# Altium PCB BitFury.PcbDoc (part 2 of 4)
Units mm, origin at the board's own origin, x right, y up, seen from the top; angles counter-clockwise.
Board outline 90.25 x 131.5 mm, 4 copper layers (Top Layer, Mid-Top Layer, Mid-Bottom Layer, Bottom Layer); 611 components, 148 nets, 2252 pads, 2038 vias.
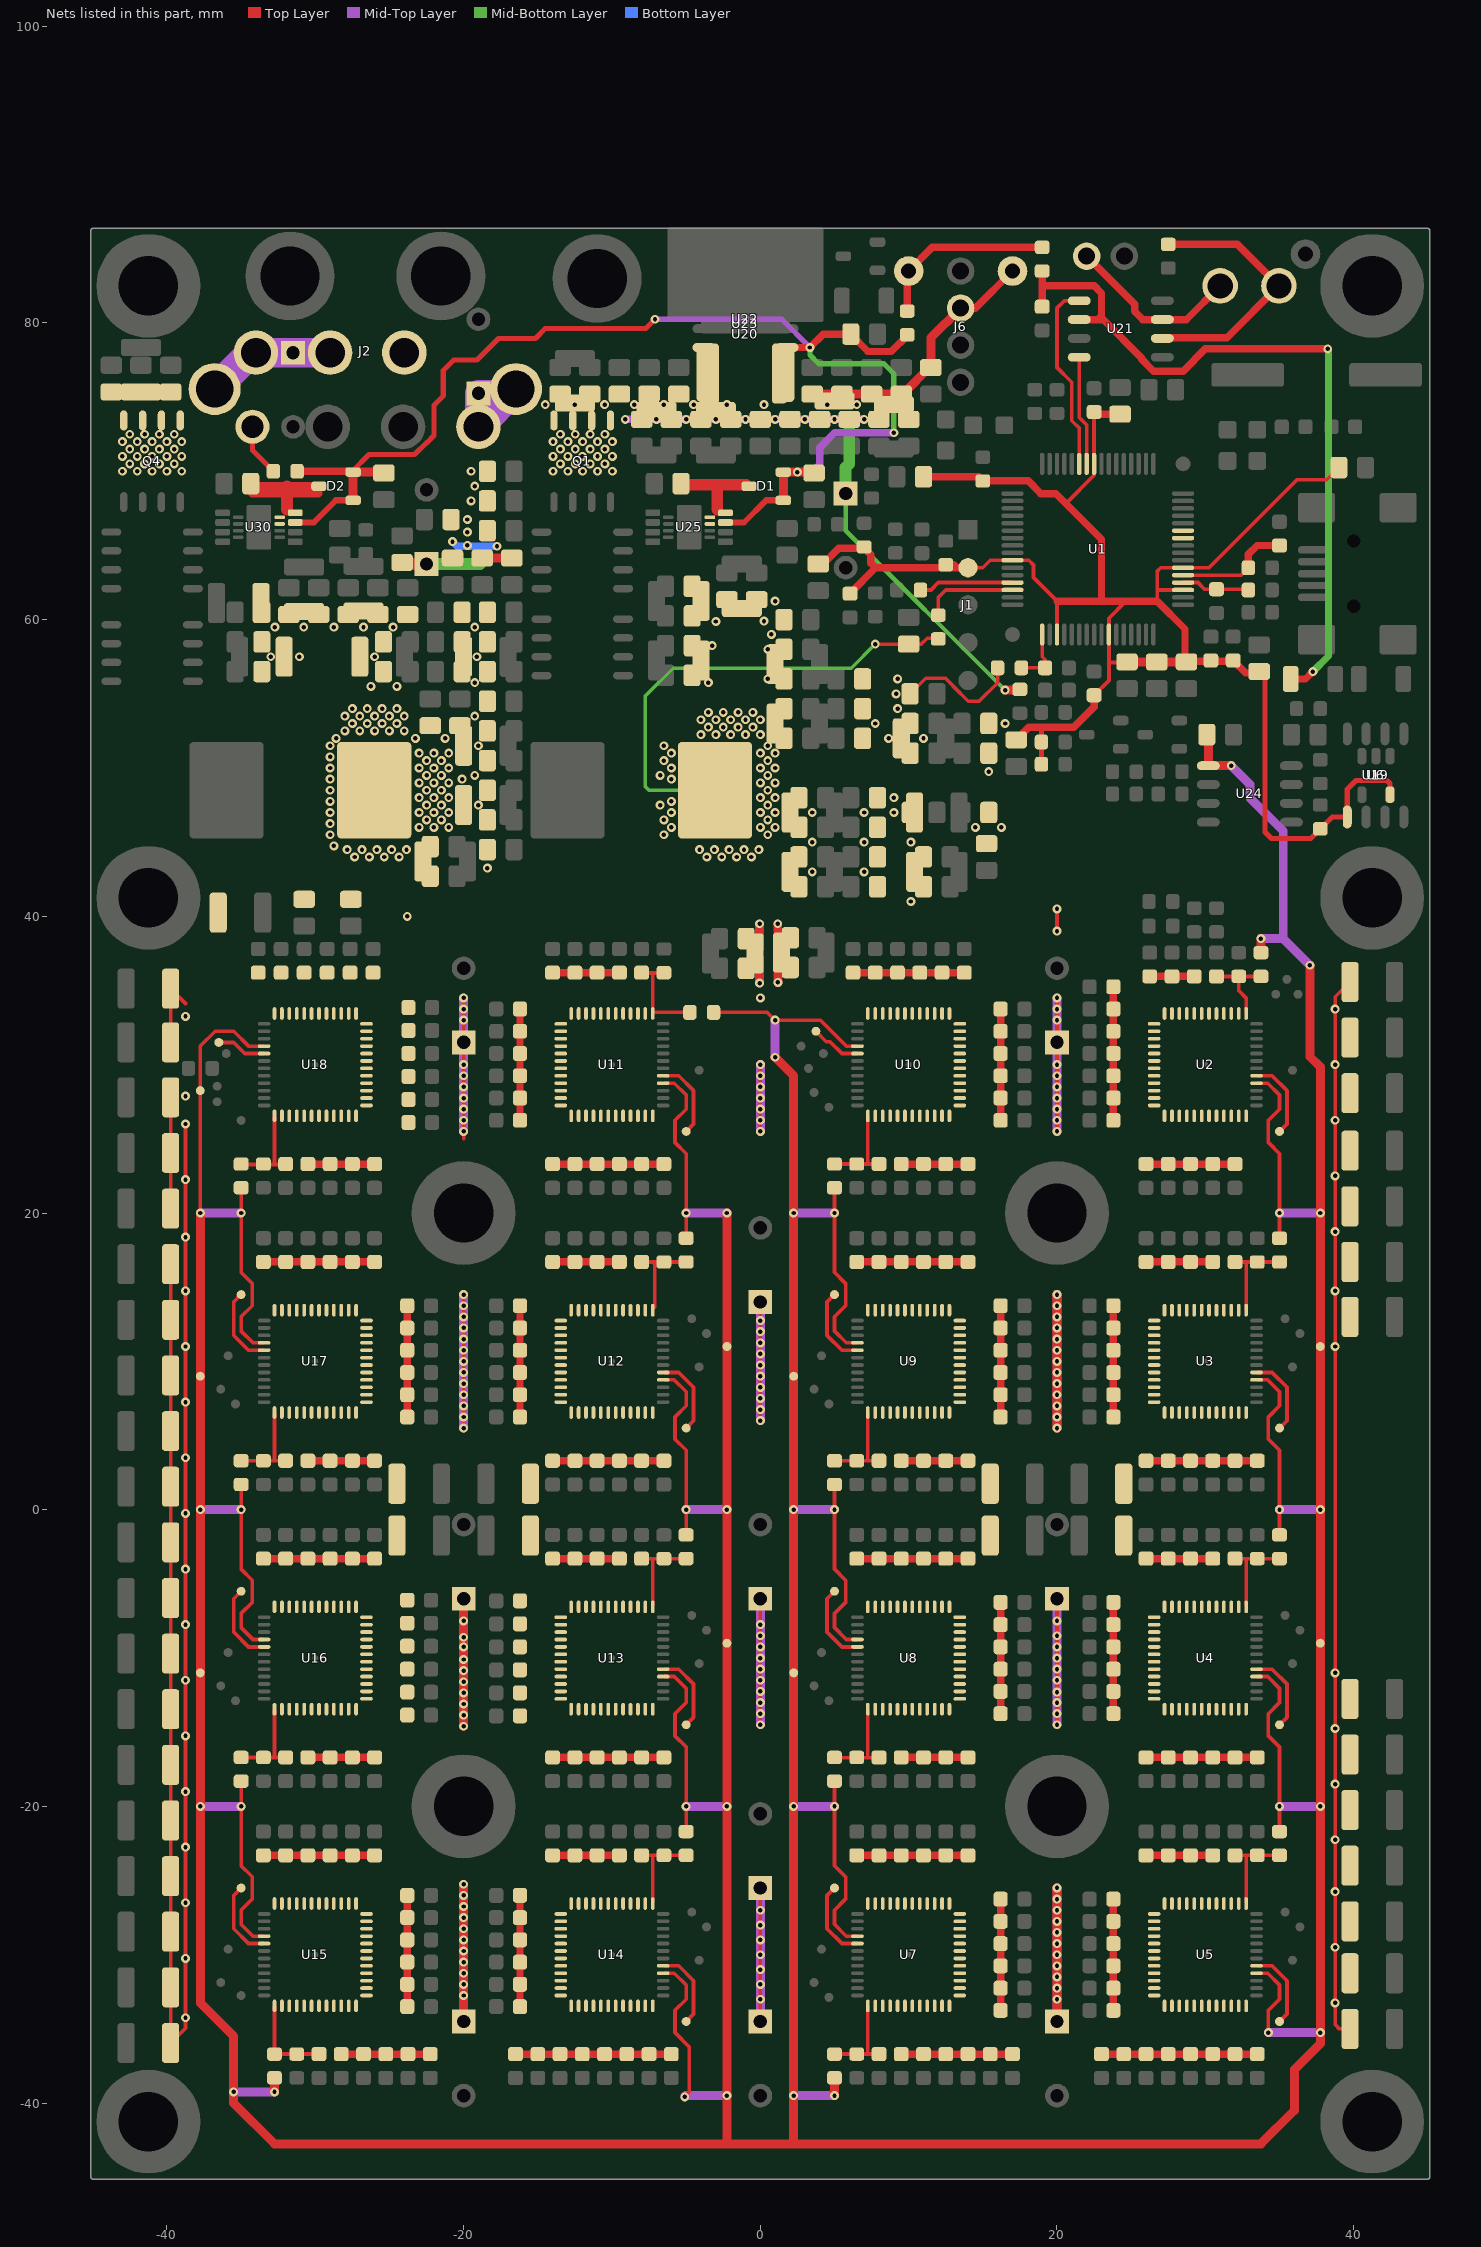
[diagram p4: the nets of this part, all layers, seen from the top]

## Part data
C2 C3 C4 C5 C6 C7 C8 C9 C11 C12 C13 C14 C15 C16 C18 C19 C20 C21 C22 C23 C24 C25 C26 C27 C28 C29 C30 C32 C33 C35 C36 C37 C39 C40 C41 C42 C43 C44 C46 C48 C49 C50 C51 C52 C53 C54 C55 C56 C57 C58 C60 C61 C62 C64 C66 C67 C68 C69 C70 C71 C77 C78 C79 C80 C81 C82 C83 C84 C87 C88 C89 C90 C91 C92 C93 C94 C95 C96 C97 C98 C100 C102 C103 C105 C106 C107 C108 C109 C110 C111 C112 C113 C114 C115 C116 C117 C118 C119 C120 C121 C122 C123 C124 C125 C126 C127 C128 C129 C130 C131 C132 C133 C134 C135 C136 C137 C138 C139 C140 C142 C144 C145 C146 C148 C149 C150 C152 C153 C154 C155 C156 C157 C158 C159 C160 C161 C162 C163 C164 C165 C166 C167 C169 C170 C171 C172 C173 C174 C175 C176 C177 C178 C179 C180 C181 C182 C183 C184 C185 C326 C327 C328 C329 C330 C331 C332 C333 C334 C335 C336 C337 C338 C339 C340 C341 C342 C343 C344 C345 C346 C347 C348 C349 C351 C352 C353 C355 C356 C388 C389 C390 C391 C392 C393 C394 C395 C396 C397 C398 C399 C400 C401 C402 C403 C404 C405 C406 C407 C408 C409 C410 C411 C412 C413 C414 C415 C416 C417 C418 C419 C420 C421 C422 C423 C424 C427 C428 C429 C430 C431 C432 C433 C434 C435 C436 C439 C440 C441 C442 C443 C444 C445 C446 C447 C448 C449 C450 C451 C452 C453 C454 C455 C456 C457 C458 C459 C460 C461 C462 C463 C464 C465 C466 C467 C468 C469 C470 C471 C472 C475 C476 C477 C478 C479 C480 C481 C482 C483: library part "Cap Semi", "Capacitor (Semiconductor SIM Model)"
C17 C34 C63 C72 C73 C74 C75 C76 C85 C86 C187 C188 C189 C190 C191 C192 C193 C195 C196 C197 C198 C199 C200 C201 C202 C203 C204 C205 C206 C207 C209 C211 C213 C214 C215 C216 C217 C218 C219 C220 C221 C222 C223 C224 C225 C226 C227 C229 C231 C233 C234 C237 C240 C241 C242 C243 C244 C245 C246 C247 C248 C249 C250 C251 C252 C253 C254 C255 C258 C259 C260 C261 C262 C263 C264 C265 C266 C267 C268 C269 C270 C273 C274 C275 C276 C277 C278 C279 C280 C283 C284 C285 C286 C287 C288 C289 C290 C291 C292 C293 C294 C295 C296 C297 C298 C299 C300 C301 C302 C303 C304 C305 C306 C308 C311 C312 C314 C315 C316 C317 C318 C319 C320 C321 C322 C323 C324 C325: library part CAP, "Capacitor"
C208 C210 C272 C281: library part C_POL
C228 C238 C239 C256 C257 C271 C282 C307 C309 C313: library part C_POL, "ТМ0J332M-RBJ21"
C358 C359 C360 C361 C362 C363 C364 C365 C366 C367 C368 C369 C370 C371 C372 C373 C374 C375 C376 C377 C378 C379 C380 C381 C382 C383 C384 C385 C386 C387 C489 C491 C493 C494 C495 C501 C503 C504 C505 C506 C507 C508 C509 C510 C511 C512 C513 C514 C515 C516 C517 C518 C519 C520 C521 C522 C523 C524 C525 C526 C527 C528 C529 C530 C531 C532 C533 C534 C535 C536: library part "Cap Semi", "CL32A227MQVNNNE 220UF 6.3V 20% X5R 1210"
D1 D2 D3: library part D_DUAL_A1A2CC3
D4 D5 D6 D7: library part LED_2
J1: library part CON5, "Connector"
J2 J6: library part CON_4PINS
J3: library part CON_USB_MINI_1
J4 J5: library part CON2, "Connector"
L1 L2: library part L
Q1 Q2 Q3 Q4 Q5 Q6: library part MOS_N_D1_S1S2S3G4D5D6D7D8
Q7 Q8: library part BJT_NPN_B1E2C3
R1 R2 R3 R4 R5 R6 R7 R8 R9 R10 R11 R12 R13 R14 R15 R16 R17 R18 R24 R25 R26 R27 R28 R29 R30 R31 R34 R35 R36 R37 R38 R40 R41 R42 R43 R44 R45 R46 R47 R56 R57 R59 R60 R61 R62 R63 R64 R79 R80 R81 R82 R83 R84 R85 R86 R103 R104 R105 R106 R107 R108 R109 R110 R127 R128 R129 R130 R131 R132 R133 R134: library part Res3, "Resistor"
U2 U3 U4 U5 U7 U8 U9 U10 U11 U12 U13 U14 U15 U16 U17 U18: "BitFury SHA256"
U6: library part "VOLTREG LDO"
U19 U22 U24: library part IC_LM2931AD-5.0R2G_SO-8
U20 U23: library part IC_Vout1GND2Vin3
U21: library part MCP2551, "CAN Driver"
U25 U30: library part DRVFET_LTC4442, "Mosfet 12V Dual Bootstrapped PWM Sync Buck Optimised"
Y1: library part CRYSTAL, "Crystal"

## Free pads (board coordinates)
  round 7 hole 4: 0(-41.25,-41.25) 0(-41.25,41.25) 0(-41.25,82.5) 0(-20,-20) 0(-20,20) 0(20,-20) 0(20,20) 0(41.25,82.5) 0(41.25,-41.25) 0(41.25,41.25)
  round 0.6 smd: 0(-37.75,-11) 0(-37.75,9) 0(-37.75,28.25) 0(-36.617,27.5) 0(-36.617,28.55) 0(-36.5,31.5) 0(-36.375,-31.875) 0(-36.375,-11.875) 0(-36.375,8.125) 0(-36,30.75) 0(-35.875,-29.625) 0(-35.875,-9.625) 0(-35.875,10.375) 0(-35.375,-12.875) 0(-35.375,7.125) 0(-35,-32.75) 0(-35,-25.5) 0(-35,-5.5) 0(-35,14.5) 0(-35,26.242) 0(-5,-34.5) 0(-5,-14.5) 0(-5,5.5) 0(-5,25.5) 0(-4.625,-27.125) 0(-4.625,-7.125) 0(-4.625,12.875) 0(-4.125,-10.375) 0(-4.125,9.625) 0(-4.125,29.625) 0(-4.125,-30.375) 0(-3.625,-28.125) 0(-3.625,-8.125) 0(-3.625,11.875) 0(-2.25,-9) 0(-2.25,11) 0(2.25,-11) 0(2.25,9) 0(2.75,31.25) 0(3.25,29.75) 0(3.625,-31.875) 0(3.625,-11.875) 0(3.625,8.125) 0(3.625,28.125) 0(3.75,32.25) 0(4.125,-29.625) 0(4.125,-9.625) 0(4.125,10.375) 0(4.25,30.75) 0(4.625,-32.875) 0(4.625,-12.875) 0(4.625,7.125) 0(4.625,27.125) 0(5,-25.5) 0(5,-5.5) 0(5,14.5) 0(34.75,34.75) 0(35,-34.5) 0(35,-14.5) 0(35,5.5) 0(35,25.5) 0(35.375,12.875) 0(35.375,-27.125) 0(35.375,-7.125) 0(35.5,35.75) 0(35.875,-30.375) 0(35.875,-10.375) 0(35.875,9.625) 0(35.875,29.625) 0(36.25,34.75) 0(36.375,-28.125) 0(36.375,-8.125) 0(36.375,11.875) 0(37.75,-9) 0(37.75,11)
  round 3 hole 2: 0(-34,78) 0(-29,78) 0(-24,78)
  round 6 hole 4: 0(-11,83)
  round 2 hole 1: 0(10,83.5) 0(17,83.5) 0(36.75,84.642)

## Via types
v1: diameter 0.6, hole 0.3, Top Layer to Bottom Layer, tented both sides, 1462 vias
v2: diameter 0.6, hole 0.3, Top Layer to Bottom Layer, 576 vias

## Nets (pads, with @x,y where several pads share a name; then routed paths per layer and width w, separated by ;. In a path a pad name is that pad's centre, name@x,y a point inside that pad or via, vN(x,y) a via of type N, cw(c..) or ccw(c..) an arc to the next point about the centre after c; other vN are vias at no path point)
0.8V: C2.1 C3.1 C4.1 C5.1 C6.1 C7.1 C8.1 C9.1 C11.1 C12.1 C30.1 C32.1 C33.1 C35.1 C36.1 C37.1 C39.1 C40.1 C41.1 C42.1 C43.1 C44.1 C46.1 C48.1 C49.1 C50.1 C51.1 C52.1 C53.1 C54.1 C55.1 C56.1 C57.1 C58.1 C60.1 C61.1 C62.1 C64.1 C66.1 C67.1 C68.1 C69.1 C70.1 C71.1 C77.1 C78.1 C79.1 C80.1 C81.1 C82.1 C83.1 C84.1 C87.1 C88.1 C89.1 C90.1 C91.1 C92.1 C93.1 C94.1 C95.1 C96.1 C97.1 C98.1 C100.1 C102.1 C103.1 C105.1 C106.1 C107.1 C108.1 C109.1 C110.1 C111.1 C112.1 C113.1 C114.1 C115.1 C116.1 C117.1 C118.1 C119.1 C120.1 C121.1 C122.1 C123.1 C124.1 C125.1 C126.1 C127.1 C128.1 C129.1 C130.1 C131.1 C132.1 C133.1 C134.1 C135.1 C136.1 C137.1 C138.1 C139.1 C140.1 C142.1 C144.1 C145.1 C146.1 C148.1 C149.1 C150.1 C152.1 C153.1 C154.1 C155.1 C156.1 C157.1 C158.1 C159.1 C160.1 C161.1 C162.1 C163.1 C164.1 C165.1 C166.1 C167.1 C169.1 C170.1 C171.1 C172.1 C173.1 C174.1 C175.1 C176.1 C177.1 C178.1 C179.1 C180.1 C181.1 C182.1 C183.1 C184.1 C185.1 C198.1 C199.1 C200.1 C201.1 C202.1 C203.1 C204.1 C205.1 C209.2 C220.1 C221.1 C222.1 C223.1 C224.1 C225.1 C226.1 C227.1 C228.1 C238.1 C239.1 C240.1 C241.1 C242.1 C243.1 C244.1 C245.1 C246.1 C247.1 C256.1 C257.1 C258.1 C259.1 C260.1 C261.1 C262.1 C271.1 C282.1 C283.1 C284.1 C285.1 C286.1 C287.1 C288.1 C289.1 C290.1 C291.1 C292.1 C293.1 C294.1 C295.1 C296.1 C297.1 C298.1 C299.1 C300.1 C301.1 C302.1 C303.1 C304.1 C305.1 C306.1 C307.1 C309.1 C313.1 C314.1 C315.1 C316.1 C317.1 C318.1 C319.1 C320.1 C321.1 C322.1 C323.1 C324.1 C326.1 C327.1 C328.1 C329.1 C330.1 C331.1 C332.1 C333.1 C334.1 C335.1 C336.1 C337.1 C338.1 C339.1 C340.1 C341.1 C342.1 C343.1 C344.1 C345.1 C346.1 C347.1 C348.1 C349.1 C351.1 C352.1 C353.1 C355.1 C356.1 C358.1 C359.1 C360.1 C361.1 C362.1 C363.1 C364.1 C365.1 C366.1 C367.1 C368.1 C369.1 C370.1 C371.1 C372.1 C373.1 C374.1 C375.1 C376.1 C377.1 C378.1 C379.1 C380.1 C381.1 C382.1 C383.1 C384.1 C385.1 C386.1 C387.1 C388.2 C389.2 C390.2 C391.2 C392.2 C393.2 C394.2 C395.2 C396.2 C397.2 C398.2 C399.2 C400.2 C401.2 C402.2 C403.2 C404.2 C405.2 C406.2 C407.2 C408.2 C409.2 C410.2 C411.2 C412.2 C413.2 C414.2 C415.2 C416.2 C417.2 C418.2 C419.2 C420.2 C421.2 C422.2 C423.2 C424.2 C427.2 C428.2 C429.2 C430.2 C431.2 C432.2 C433.2 C434.2 C435.2 C436.2 C439.2 C440.2 C441.2 C442.2 C443.2 C444.2 C445.2 C446.2 C447.2 C448.2 C449.2 C450.2 C451.2 C452.2 C453.2 C454.2 C455.2 C456.2 C457.2 C458.2 C459.2 C460.2 C461.2 C462.2 C463.2 C464.2 C465.2 C466.2 C467.2 C468.2 C469.2 C470.2 C471.2 C472.2 C475.2 C476.2 C477.2 C478.2 C479.2 C480.2 C481.2 C482.2 C483.2 C503.1 C504.1 C505.1 C506.1 C507.1 C508.1 C509.1 C510.1 C511.1 C512.1 C513.1 C514.1 C515.1 C516.1 C517.1 C518.1 C519.1 C520.1 C521.1 C522.1 C523.1 C524.1 C525.1 C526.1 C527.1 C528.1 C529.1 C530.1 C531.1 C532.1 C533.1 C534.1 C535.1 C536.1 L1.2 L2.2 R38.2 R43.2 U2.14 U2.15 U2.16 U2.17 U2.18 U2.19 U2.20 U2.21 U2.22 U2.23 U2.24 U2.25 U2.26 U2.27 U2.28 U2.29 U2.30 U2.31 U2.32 U2.33 U2.34 U2.35 U2.36 U2.37 U2.38 U2.39 U2.40 U2.41 U2.42 U2.43 U2.44 U2.45 U2.46 U2.47 U2.48 U3.14 U3.15 U3.16 U3.17 U3.18 U3.19 U3.20 U3.21 U3.22 U3.23 U3.24 U3.25 U3.26 U3.27 U3.28 U3.29 U3.30 U3.31 U3.32 U3.33 U3.34 U3.35 U3.36 U3.37 U3.38 U3.39 U3.40 U3.41 U3.42 U3.43 U3.44 U3.45 U3.46 U3.47 U3.48 U4.14 U4.15 U4.16 U4.17 U4.18 U4.19 U4.20 U4.21 U4.22 U4.23 U4.24 U4.25 U4.26 U4.27 U4.28 U4.29 U4.30 U4.31 U4.32 U4.33 U4.34 U4.35 U4.36 U4.37 U4.38 U4.39 U4.40 U4.41 U4.42 U4.43 U4.44 U4.45 U4.46 U4.47 U4.48 U5.14 U5.15 U5.16 U5.17 U5.18 U5.19 U5.20 U5.21 U5.22 U5.23 U5.24 U5.25 U5.26 U5.27 U5.28 U5.29 U5.30 U5.31 U5.32 U5.33 U5.34 U5.35 U5.36 U5.37 U5.38 U5.39 U5.40 U5.41 U5.42 U5.43 U5.44 U5.45 U5.46 U5.47 U5.48 U7.14 U7.15 U7.16 U7.17 U7.18 U7.19 U7.20 U7.21 U7.22 U7.23 U7.24 U7.25 U7.26 U7.27 U7.28 U7.29 U7.30 U7.31 U7.32 U7.33 U7.34 U7.35 U7.36 U7.37 U7.38 U7.39 U7.40 U7.41 U7.42 U7.43 U7.44 U7.45 U7.46 U7.47 U7.48 U8.14 U8.15 U8.16 U8.17 U8.18 U8.19 U8.20 U8.21 U8.22 U8.23 U8.24 U8.25 U8.26 U8.27 U8.28 U8.29 U8.30 U8.31 U8.32 U8.33 U8.34 U8.35 U8.36 U8.37 U8.38 U8.39 U8.40 U8.41 U8.42 U8.43 U8.44 U8.45 U8.46 U8.47 U8.48 U9.14 U9.15 U9.16 U9.17 U9.18 U9.19 U9.20 U9.21 U9.22 U9.23 U9.24 U9.25 U9.26 U9.27 U9.28 U9.29 U9.30 U9.31 U9.32 U9.33 U9.34 U9.35 U9.36 U9.37 U9.38 U9.39 U9.40 U9.41 U9.42 U9.43 U9.44 U9.45 U9.46 U9.47 U9.48 U10.14 U10.15 U10.16 U10.17 U10.18 U10.19 U10.20 U10.21 U10.22 U10.23 U10.24 U10.25 U10.26 U10.27 U10.28 U10.29 U10.30 U10.31 U10.32 U10.33 U10.34 U10.35 U10.36 U10.37 U10.38 U10.39 U10.40 U10.41 U10.42 U10.43 U10.44 U10.45 U10.46 U10.47 U10.48 U11.14 U11.15 U11.16 U11.17 U11.18 U11.19 U11.20 U11.21 U11.22 U11.23 U11.24 U11.25 U11.26 U11.27 U11.28 U11.29 U11.30 U11.31 U11.32 U11.33 U11.34 U11.35 U11.36 U11.37 U11.38 U11.39 U11.40 U11.41 U11.42 U11.43 U11.44 U11.45 U11.46 U11.47 U11.48 U12.14 U12.15 U12.16 U12.17 U12.18 U12.19 U12.20 U12.21 U12.22 U12.23 U12.24 U12.25 U12.26 U12.27 U12.28 U12.29 U12.30 U12.31 U12.32 U12.33 U12.34 U12.35 U12.36 U12.37 U12.38 U12.39 U12.40 U12.41 U12.42 U12.43 U12.44 U12.45 U12.46 U12.47 U12.48 U13.14 U13.15 U13.16 U13.17 U13.18 U13.19 U13.20 U13.21 U13.22 U13.23 U13.24 U13.25 U13.26 U13.27 U13.28 U13.29 U13.30 U13.31 U13.32 U13.33 U13.34 U13.35 U13.36 U13.37 U13.38 U13.39 U13.40 U13.41 U13.42 U13.43 U13.44 U13.45 U13.46 U13.47 U13.48 U14.14 U14.15 U14.16 U14.17 U14.18 U14.19 U14.20 U14.21 U14.22 U14.23 U14.24 U14.25 U14.26 U14.27 U14.28 U14.29 U14.30 U14.31 U14.32 U14.33 U14.34 U14.35 U14.36 U14.37 U14.38 U14.39 U14.40 U14.41 U14.42 U14.43 U14.44 U14.45 U14.46 U14.47 U14.48 U15.14 U15.15 U15.16 U15.17 U15.18 U15.19 U15.20 U15.21 U15.22 U15.23 U15.24 U15.25 U15.26 U15.27 U15.28 U15.29 U15.30 U15.31 U15.32 U15.33 U15.34 U15.35 U15.36 U15.37 U15.38 U15.39 U15.40 U15.41 U15.42 U15.43 U15.44 U15.45 U15.46 U15.47 U15.48 U16.14 U16.15 U16.16 U16.17 U16.18 U16.19 U16.20 U16.21 U16.22 U16.23 U16.24 U16.25 U16.26 U16.27 U16.28 U16.29 U16.30 U16.31 U16.32 U16.33 U16.34 U16.35 U16.36 U16.37 U16.38 U16.39 U16.40 U16.41 U16.42 U16.43 U16.44 U16.45 U16.46 U16.47 U16.48 U17.14 U17.15 U17.16 U17.17 U17.18 U17.19 U17.20 U17.21 U17.22 U17.23 U17.24 U17.25 U17.26 U17.27 U17.28 U17.29 U17.30 U17.31 U17.32 U17.33 U17.34 U17.35 U17.36 U17.37 U17.38 U17.39 U17.40 U17.41 U17.42 U17.43 U17.44 U17.45 U17.46 U17.47 U17.48 U18.14 U18.15 U18.16 U18.17 U18.18 U18.19 U18.20 U18.21 U18.22 U18.23 U18.24 U18.25 U18.26 U18.27 U18.28 U18.29 U18.30 U18.31 U18.32 U18.33 U18.34 U18.35 U18.36 U18.37 U18.38 U18.39 U18.40 U18.41 U18.42 U18.43 U18.44 U18.45 U18.46 U18.47 U18.48 | length 765.3
  Top Layer w0.25: C515.1@-39.75,16.55 C514.1@-39.75,12.8 C513.1@-39.75,9.05 C519.1@-39.75,5.3 C528.1@-39.75,1.55 C527.1@-39.75,-2.2 C529.1@-39.75,-5.95 C532.1@-39.75,-9.7 C530.1@-39.75,-13.45 C526.1@-39.75,-17.2 C522.1@-39.75,-20.95 C520.1@-39.75,-24.7 C523.1@-39.75,-28.45 C525.1@-39.75,-32.2 C524.1@-39.75,-35.95 -38.75,-34.95 v1(-38.75,26) ; C509.1@-39.75,20.3 C510.1@-39.75,24.05 C512.1@-39.75,27.8 ; C379.1@-39.75,31.5 C536.1@-39.75,35.125 -38.75,34.125 ; v1@-20,-29.25 v1(-20,-29) v1(-20,-28.25) v1(-20,-27.5) v1(-20,-26.75) v1(-20,-26) v1(-20,-25.25) ; -20,-9.6 v1(-20,-9.25) v1(-20,-8.6) v1(-20,-7.5) C238.1@-20,-6 C238.1@-20,-5.6 ; v1(-20,5.5) v1(-20,6.25) v1(-20,7) v1(-20,7.75) v1(-20,8.5) v1(-20,9.25) v1(-20,10) v1(-20,10.75) v1(-20,11.5) v1(-20,12.25) v1(-20,13) v1(-20,13.75) v1(-20,14.5) ; -20,25 v1(-20,25.5) v1(-20,26.25) v1(-20,27) v1(-20,27.75) v1(-20,28.5) v1(-20,29.25) v1(-20,30) C282.1@-20,31.5 v1(-20,33) v1(-20,33.75) v1(-20,34.5) ; C257.1@0,-34.5 v1(0,-33) v1(0,-32) v1(0,-31) v1(0,-30) v1(0,-29) v1(0,-28) v1(0,-27) C256.1@0,-26 ; v1(0,-14.5) v1(0,-13.75) v1(0,-13) v1(0,-12.25) v1(0,-11.5) v1(0,-10.75) v1(0,-10) v1(0,-9.25) v1(0,-8.5) v1(0,-7.75) C271.1@0,-6 ; v1(0,6) v1(0,6.75) v1(0,7.5) v1(0,8.25) v1(0,9) v1(0,9.75) v1(0,10.5) v1(0,11.25) v1(0,12) v1(0,12.75) C228.1@0,14 ; v1(0,25.5) v1(0,26.25) v1(0,27) v1(0,27.75) v1(0,28.5) v1(0,29.25) v1(0,30) ; v1(7.75,58.35) C209.2@10,58.35 10.85,58.35 11.25,58.75 11.95,58.75 R38.2@12,58.7 ; C296.1@10.1,55 11.15,56.05 12.492,56.05 13.025,55.517 13.025,55.496 14.021,54.5 14.75,54.5 16,55.75 R43.2@16,56.75 ; v1@20,-29.5 v1(20,-28.5) v1(20,-27) v1(20,-25.5) ; v1(20,-14.5) v1(20,-13) v1(20,-12.3) v1(20,-11.5) v1(20,-10) v1(20,-9.25) v1(20,-8.5) C239.1@20,-5.5 ; v1(20,5.5) v1(20,6.25) v1(20,7) v1(20,8.5) v1(20,9.25) v1(20,10) v1(20,11.5) v1(20,12.25) v1(20,13) v1(20,13.75) v1(20,14.5) ; v1(20,25.5) v1(20,26.25) v1(20,27) v1(20,27.75) v1(20,28.5) v1(20,29.25) v1(20,30) C309.1@20,31.5 v1(20,33) v1(20,33.75) v1(20,34.5) ; v1(20,39) v1(20,40.5) ; C533.1@39.75,-35 39.05,-35 38.75,-34.7 38.75,34.575 C517.1@39.75,35.575
  Top Layer w0.5: C409.2@-33.5,-23.3 C410.2@-32,-23.3 C411.2@-30.5,-23.3 C406.2@-29,-23.3 C407.2@-27.5,-23.3 C408.2@-26,-23.3 ; C397.2@-33.5,-3.3 C398.2@-32,-3.3 C399.2@-30.5,-3.3 C394.2@-29,-3.3 C395.2@-27.5,-3.3 C396.2@-26,-3.3 ; C445.2@-33.5,16.7 C446.2@-32,16.7 C447.2@-30.5,16.7 C442.2@-29,16.7 C443.2@-27.5,16.7 C444.2@-26,16.7 ; C424.2@-30.5,-16.7 C429.2@-29,-16.7 C428.2@-27.5,-16.7 C427.2@-26,-16.7 ; C472.2@-30.5,3.3 C477.2@-29,3.3 C476.2@-27.5,3.3 C475.2@-26,3.3 ; C436.2@-30.5,23.3 C441.2@-29,23.3 C440.2@-27.5,23.3 C439.2@-26,23.3 ; C388.2@-28.25,-36.7 C393.2@-26.75,-36.7 C392.2@-25.25,-36.7 C391.2@-23.75,-36.7 C390.2@-22.25,-36.7 ; C402.2@-23.8,-33.5 C401.2@-23.8,-32 C400.2@-23.8,-30.5 C405.2@-23.8,-29 C404.2@-23.8,-27.5 C403.2@-23.8,-26 ; C173.1@-23.8,6.25 C174.1@-23.8,7.75 C355.1@-23.8,9.25 C179.1@-23.8,10.75 C184.1@-23.8,12.25 C185.1@-23.8,13.75 ; C164.1@-16.5,-36.7 C348.1@-15,-36.7 C420.2@-13.5,-36.7 C419.2@-12,-36.7 C418.2@-10.5,-36.7 C423.2@-9,-36.7 C422.2@-7.5,-36.7 C421.2@-6,-36.7 ; C415.2@-16.2,-33.5 C416.2@-16.2,-32 C417.2@-16.2,-30.5 C412.2@-16.2,-29 C413.2@-16.2,-27.5 C414.2@-16.2,-26 ; C142.1@-16.2,6.25 C139.1@-16.2,7.75 C140.1@-16.2,9.25 C134.1@-16.2,10.75 C128.1@-16.2,12.25 C129.1@-16.2,13.75 ; C172.1@-16.2,26.25 C356.1@-16.2,27.75 C175.1@-16.2,29.25 C178.1@-16.2,30.75 C177.1@-16.2,32.25 C176.1@-16.2,33.75 ; C43.1@-14,-23.3 C44.1@-12.5,-23.3 C166.1@-11,-23.3 C165.1@-9.5,-23.3 ; C432.2@-14,-16.7 C431.2@-12.5,-16.7 C430.2@-11,-16.7 C435.2@-9.5,-16.7 C434.2@-8,-16.7 C433.2@-6.5,-16.7 ; C349.1@-14,-3.3 C167.1@-12.5,-3.3 C170.1@-11,-3.3 C169.1@-9.5,-3.3 ; C480.2@-14,3.3 C479.2@-12.5,3.3 C478.2@-11,3.3 C483.2@-9.5,3.3 C482.2@-8,3.3 C481.2@-6.5,3.3 ; C137.1@-14,16.7 C138.1@-12.5,16.7 C135.1@-11,16.7 C136.1@-9.5,16.7 ; C159.1@-14,23.3 C156.1@-12.5,23.3 C157.1@-11,23.3 C158.1@-9.5,23.3 C163.1@-8,23.3 C351.1@-6.5,23.3 ; C71.1@-14,36.2 C61.1@-12.5,36.2 C51.1@-11,36.2 C91.1@-9.5,36.2 ; C66.1@6.25,36.2 C60.1@7.75,36.2 C62.1@9.25,36.2 C329.1@10.75,36.2 C78.1@12.25,36.2 C79.1@13.75,36.2 ; C331.1@6.5,-23.3 C118.1@8,-23.3 C116.1@9.5,-23.3 C117.1@11,-23.3 C124.1@12.5,-23.3 C332.1@14,-23.3 ; C340.1@6.5,-3.3 C342.1@9.5,-3.3 C343.1@11,-3.3 C346.1@12.5,-3.3 C344.1@14,-3.3 ; C77.1@6.5,16.7 C330.1@8,16.7 C69.1@9.5,16.7 C70.1@11,16.7 C119.1@12.5,16.7 C120.1@14,16.7 ; C130.1@9.5,-36.7 C133.1@11,-36.7 C132.1@12.5,-36.7 C127.1@14,-36.7 C131.1@15.5,-36.7 C122.1@17,-36.7 ; C337.1@9.5,-16.7 C338.1@11,-16.7 C33.1@12.5,-16.7 C35.1@14,-16.7 ; C144.1@9.5,3.3 C146.1@11,3.3 C145.1@12.5,3.3 C148.1@14,3.3 ; C183.1@9.5,23.3 C180.1@11,23.3 C353.1@12.5,23.3 C181.1@14,23.3 ; C153.1@16.2,-33.75 C154.1@16.2,-32.25 C155.1@16.2,-30.75 C152.1@16.2,-29.25 C149.1@16.2,-27.75 C150.1@16.2,-26.25 ; C126.1@16.2,-13.75 C3.1@16.2,-12.25 C6.1@16.2,-10.75 C4.1@16.2,-9.25 C5.1@16.2,-7.75 C2.1@16.2,-6.25 ; C41.1@16.2,6.25 C81.1@16.2,7.75 C8.1@16.2,9.25 C7.1@16.2,10.75 C11.1@16.2,12.25 C9.1@16.2,13.75 ; C182.1@16.2,26.25 C171.1@16.2,27.75 C160.1@16.2,29.25 C352.1@16.2,30.75 C161.1@16.2,32.25 C162.1@16.2,33.75 ; C115.1@23,-36.7 C389.2@24.5,-36.7 C347.1@26,-36.7 C46.1@27.5,-36.7 C345.1@29,-36.7 C30.1@30.5,-36.7 C339.1@32,-36.7 C32.1@33.5,-36.7 ; C97.1@23.8,-33.75 C334.1@23.8,-32.25 C98.1@23.8,-30.75 C96.1@23.8,-29.25 C94.1@23.8,-27.75 C95.1@23.8,-26.25 ; C12.1@23.8,-13.75 C36.1@23.8,-12.25 C52.1@23.8,-10.75 C53.1@23.8,-9.25 C50.1@23.8,-7.75 C48.1@23.8,-6.25 ; C327.1@23.8,6.25 C90.1@23.8,7.75 C80.1@23.8,9.25 C67.1@23.8,10.75 C68.1@23.8,12.25 C328.1@23.8,13.75 ; C106.1@23.8,26.25 C111.1@23.8,27.75 C112.1@23.8,29.25 C109.1@23.8,30.75 C105.1@23.8,32.25 C64.1@23.8,33.75 C103.1@23.8,35.25 ; C333.1@26,-23.3 C125.1@27.5,-23.3 C123.1@29,-23.3 C121.1@30.5,-23.3 ; C54.1@26,-16.7 C56.1@27.5,-16.7 C58.1@29,-16.7 C57.1@30.5,-16.7 C49.1@32,-16.7 C55.1@33.5,-16.7 ; C40.1@26,-3.3 C42.1@27.5,-3.3 C39.1@29,-3.3 C37.1@30.5,-3.3 ; C336.1@26,3.3 C100.1@27.5,3.3 C102.1@29,3.3 C114.1@30.5,3.3 C113.1@32,3.3 C335.1@33.5,3.3 ; C88.1@26,16.7 C92.1@27.5,16.7 C93.1@29,16.7 C89.1@30.5,16.7 ; C326.1@26,23.3 C83.1@27.5,23.3 C82.1@29,23.3 C87.1@30.5,23.3 C84.1@32,23.3 ; C110.1@26.25,35.95 C108.1@27.75,35.95 C107.1@29.25,35.95